# Allegro board ZC7020-PCB.brd (continued)
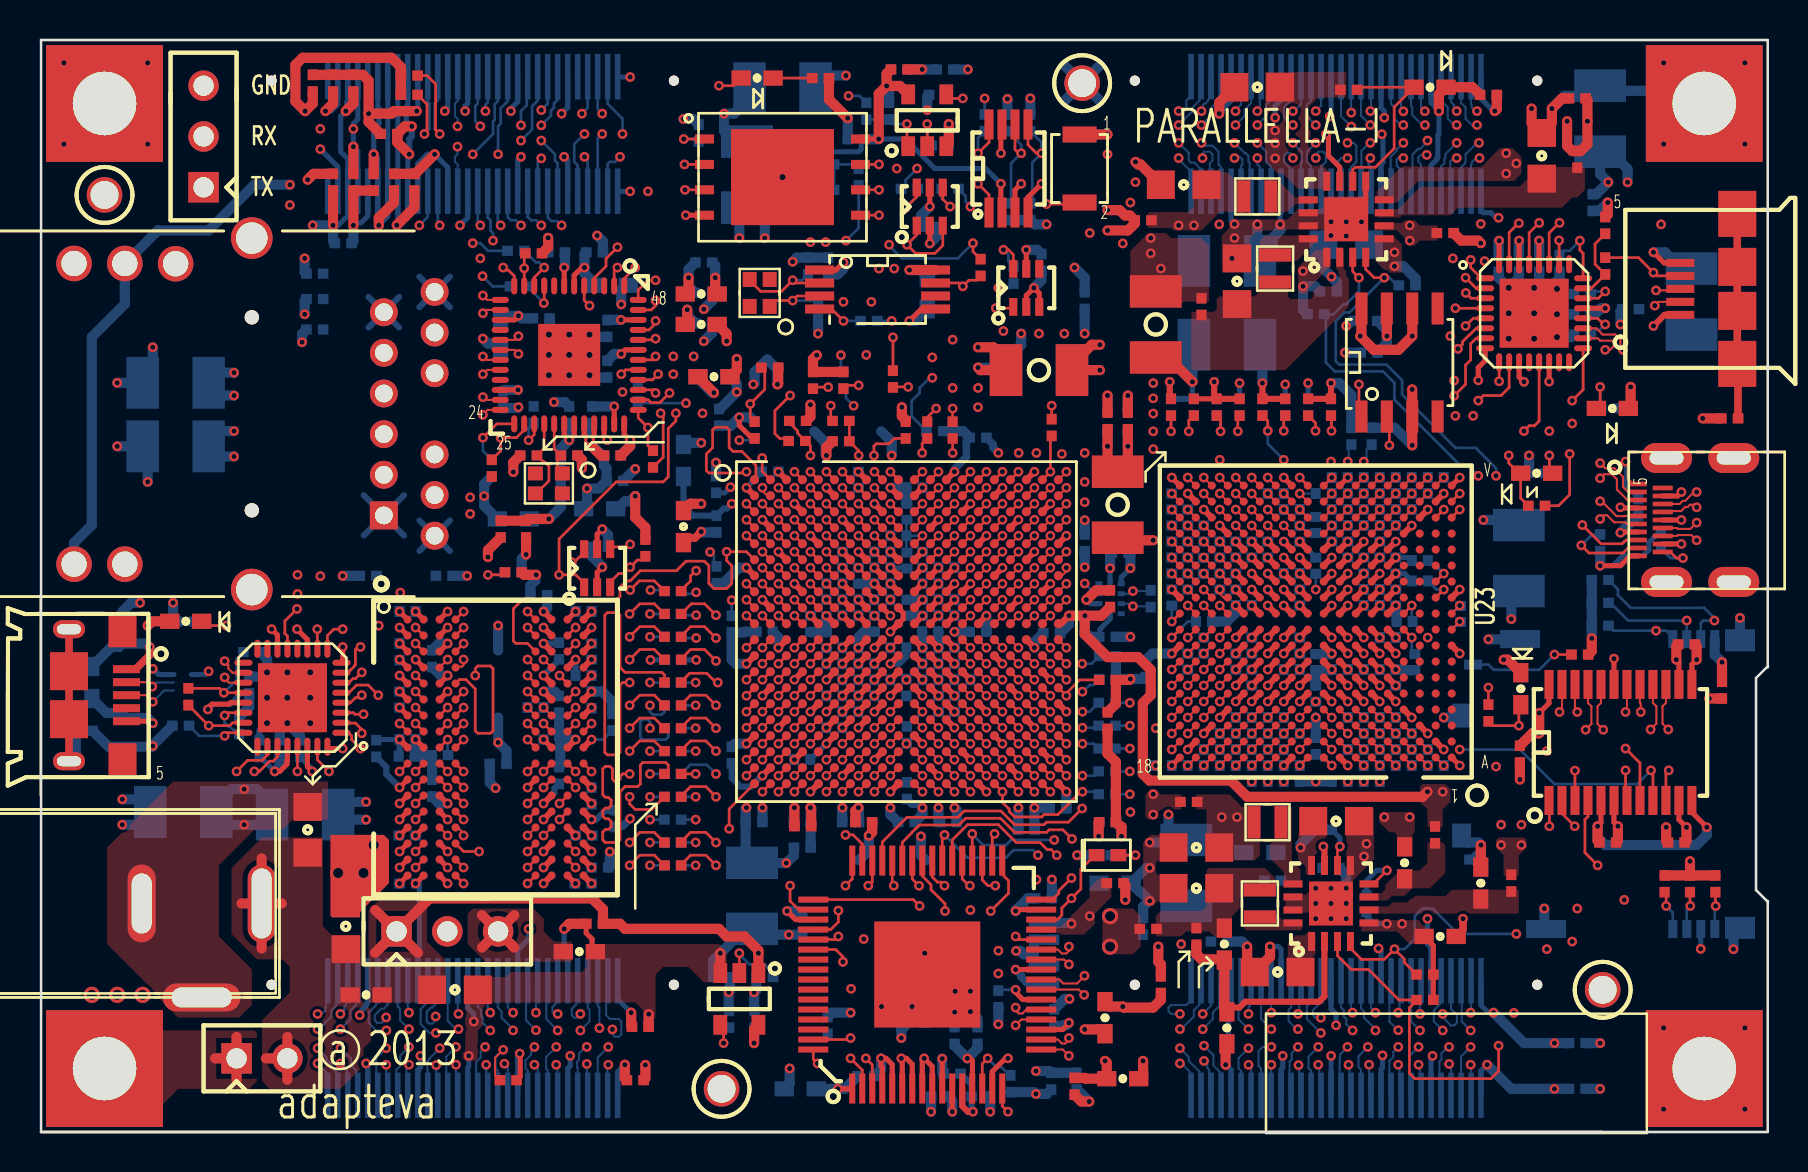
[diagram p0: board, top side]
## Nets (continued)
RXI_EA_DATA5_P: R185.1 U2.F19(IO_L15P_T2_DQS_AD12P_35) U23.P17(RXI_EA_DATA_P5)
RXI_EA_DATA6_N: R186.2 U2.G18(IO_L16N_T2_35) U23.M16(RXI_EA_DATA_N6)
RXI_EA_DATA6_P: R186.1 U2.G17(IO_L16P_T2_35) U23.N16(RXI_EA_DATA_P6)
RXI_EA_DATA7_N: R187.2 U2.G20(IO_L18N_T2_AD13N_35) U23.L15(RXI_EA_DATA_N7)
RXI_EA_DATA7_P: R187.1 U2.G19(IO_L18P_T2_AD13P_35) U23.M15(RXI_EA_DATA_P7)
RXI_EA_FRAME_N: R188.2 U2.G15(IO_L19N_T3_VREF_35) U23.L17(RXI_EA_FRAME_N)
RXI_EA_FRAME_P: R188.1 U2.H15(IO_L19P_T3_35) U23.M17(RXI_EA_FRAME_P)
RXI_EA_LCLK_N: R189.2 U2.F17(IO_L6N_T0_VREF_35) U23.M18(RXI_EA_LCLK_N)
RXI_EA_LCLK_P: R189.1 U2.F16(IO_L6P_T0_35) U23.N18(RXI_EA_LCLK_P)
RXI_NO_DATA0_N: J8.3(03) R194.2 U23.A2(RXI_NO_DATA_N0)
RXI_NO_DATA0_P: J8.5(05) R194.1 U23.A3(RXI_NO_DATA_P0)
RXI_NO_DATA1_N: J8.4(04) R195.2 U23.B3(RXI_NO_DATA_N1)
RXI_NO_DATA1_P: J8.6(06) R195.1 U23.B4(RXI_NO_DATA_P1)
RXI_NO_DATA2_N: J8.7(07) R196.2 U23.C4(RXI_NO_DATA_N2)
RXI_NO_DATA2_P: J8.9(09) R196.1 U23.C5(RXI_NO_DATA_P2)
RXI_NO_DATA3_N: J8.8(08) R197.2 U23.D5(RXI_NO_DATA_N3)
RXI_NO_DATA3_P: J8.10 R197.1 U23.D6(RXI_NO_DATA_P3)
RXI_NO_DATA4_N: J8.13 R198.2 U23.A4(RXI_NO_DATA_N4)
RXI_NO_DATA4_P: J8.15 R198.1 U23.A5(RXI_NO_DATA_P4)
RXI_NO_DATA5_N: J8.14 R199.2 U23.B5(RXI_NO_DATA_N5)
RXI_NO_DATA5_P: J8.16 R199.1 U23.B6(RXI_NO_DATA_P5)
RXI_NO_DATA6_N: J8.17 R200.2 U23.C6(RXI_NO_DATA_N6)
RXI_NO_DATA6_P: J8.19 R200.1 U23.C7(RXI_NO_DATA_P6)
RXI_NO_DATA7_N: J8.18 R201.2 U23.D7(RXI_NO_DATA_N7)
RXI_NO_DATA7_P: J8.20 R201.1 U23.D8(RXI_NO_DATA_P7)
RXI_NO_FRAME_N: J8.24 R202.2 R242.2 U23.B7(RXI_NO_FRAME_N)
RXI_NO_FRAME_P: J8.26 R202.1 R243.2 U23.B8(RXI_NO_FRAME_P)
RXI_NO_LCLK_N: J8.23 R203.2 U23.A6(RXI_NO_LCLK_N)
RXI_NO_LCLK_P: J8.25 R203.1 U23.A7(RXI_NO_LCLK_P)
RXI_SO_DATA0_N: J9.3(03) R207.2 U23.V3(RXI_SO_DATA_N0)
RXI_SO_DATA0_P: J9.5(05) R207.1 U23.V2(RXI_SO_DATA_P0)
RXI_SO_DATA1_N: J9.4(04) R208.2 U23.U4(RXI_SO_DATA_N1)
RXI_SO_DATA1_P: J9.6(06) R208.1 U23.U3(RXI_SO_DATA_P1)
RXI_SO_DATA2_N: J9.7(07) R209.2 U23.T5(RXI_SO_DATA_N2)
RXI_SO_DATA2_P: J9.9(09) R209.1 U23.T4(RXI_SO_DATA_P2)
RXI_SO_DATA3_N: J9.8(08) R210.2 U23.R6(RXI_SO_DATA_N3)
RXI_SO_DATA3_P: J9.10 R210.1 U23.R5(RXI_SO_DATA_P3)
RXI_SO_DATA4_N: J9.13 R211.2 U23.V5(RXI_SO_DATA_N4)
RXI_SO_DATA4_P: J9.15 R211.1 U23.V4(RXI_SO_DATA_P4)
RXI_SO_DATA5_N: J9.14 R212.2 U23.U6(RXI_SO_DATA_N5)
RXI_SO_DATA5_P: J9.16 R212.1 U23.U5(RXI_SO_DATA_P5)
RXI_SO_DATA6_N: J9.17 R213.2 U23.T7(RXI_SO_DATA_N6)
RXI_SO_DATA6_P: J9.19 R213.1 U23.T6(RXI_SO_DATA_P6)
RXI_SO_DATA7_N: J9.18 R214.2 U23.R8(RXI_SO_DATA_N7)
RXI_SO_DATA7_P: J9.20 R214.1 U23.R7(RXI_SO_DATA_P7)
RXI_SO_FRAME_N: J9.24 R215.2 R247.2 U23.U8(RXI_SO_FRAME_N)
RXI_SO_FRAME_P: J9.26 R215.1 R246.2 U23.U7(RXI_SO_FRAME_P)
RXI_SO_LCLK_N: J9.23 R216.2 U23.V7(RXI_SO_LCLK_N)
RXI_SO_LCLK_P: J9.25 R216.1 U23.V6(RXI_SO_LCLK_P)
RXO_EA_RD_WAIT: U2.J15(IO_25_34) U38.8(R)
RXO_EA_RD_WAIT_N: R193.2 U23.J17(RXO_EA_RD_WAIT_N) U38.3(B)
RXO_EA_RD_WAIT_P: R193.1 U23.K17(RXO_EA_RD_WAIT_P) U38.2(A)
RXO_EA_WR_WAIT_N: U2.H18(IO_L14N_T2_AD4N_SRCC_35) U23.K16(RXO_EA_WR_WAIT_N)
RXO_EA_WR_WAIT_P: U2.J18(IO_L14P_T2_AD4P_SRCC_35) U23.L16(RXO_EA_WR_WAIT_P)
RXO_NO_RD_WAIT_N: J8.27 U23.B9(RXO_NO_RD_WAIT_N)
RXO_NO_RD_WAIT_P: J8.29 U23.B10(RXO_NO_RD_WAIT_P)
RXO_NO_WR_WAIT_N: J8.28 U23.C8(RXO_NO_WR_WAIT_N)
RXO_NO_WR_WAIT_P: J8.30 U23.C9(RXO_NO_WR_WAIT_P)
RXO_SO_RD_WAIT_N: J9.27 R234.2 U23.U10(RXO_SO_RD_WAIT_N)
RXO_SO_RD_WAIT_P: J9.29 R234.1 U23.U9(RXO_SO_RD_WAIT_P)
RXO_SO_WR_WAIT_N: J9.28 R235.2 U23.T9(RXO_SO_WR_WAIT_N)
RXO_SO_WR_WAIT_P: J9.30 R235.1 U23.T8(RXO_SO_WR_WAIT_P)
SD_CLK: J3.5(CLK) R32.2 R33.1
SD_CMD: J3.3(CMD) R39.1 U2.C6(PS_MIO11)
SD_DAT0: J3.7(DAT0) R37.1 U2.E9(PS_MIO10)
SD_DAT1: J3.8(DAT1) R36.1 U2.E8(PS_MIO13)
SD_DAT2: J3.1(DAT2) R35.1 U2.C5(PS_MIO14)
SD_DAT3: J3.2(CD_DAT3) R34.1 U2.C8(PS_MIO15)
SD_DETECT: J3.10(DETECT) R38.1 U2.E6(PS_MIO0)
SPDIF: J13.27 R82.2 U26.3(SPDIF)
SYS_5P0V: C52.1 C59.1 C241.1 C247.1 C253.1 C254.1 C258.1 C274.1 C279.1 J13.1(01) J13.2(02) J14.2 R276.2 R277.2 R280.2 R283.2 R284.1 R285.1 R288.2 TP15.1 U12.21(VBAT) U13.7(IN) U29.1(VINDCD1) U29.5(VINLDO) U29.12(VINDCD2) U30.1(VINDCD1) U30.5(VINLDO1) U30.8(VINLDO2) U30.12(VINDCD2) U37.11(VCC_5V)
TURBO_MODE: J13.25 R328.2 U2.R16(IO_L19P_T3_34) U36.4(Y)
TXI_EA_RD_WAIT_N: R190.2 U2.J14(IO_L20N_T3_AD6N_35) U23.G17(TXI_EA_RD_WAIT_N)
TXI_EA_RD_WAIT_P: R190.1 U2.K14(IO_L20P_T3_AD6P_35) U23.H17(TXI_EA_RD_WAIT_P)
TXI_EA_WR_WAIT_N: R191.2 U2.J16(IO_L24N_T3_AD15N_35) U23.H16(TXI_EA_WR_WAIT_N)
TXI_EA_WR_WAIT_P: R191.1 U2.K16(IO_L24P_T3_AD15P_35) U23.J16(TXI_EA_WR_WAIT_P)
TXI_NO_RD_WAIT_N: J8.38 R204.2 R240.1 U23.B11(TXI_NO_RD_WAIT_N)
TXI_NO_RD_WAIT_P: J8.40 R204.1 R241.1 U23.B12(TXI_NO_RD_WAIT_P)
TXI_NO_WR_WAIT_N: J8.34 R205.2 U23.C10(TXI_NO_WR_WAIT_N)
TXI_NO_WR_WAIT_P: J8.36 R205.1 U23.C11(TXI_NO_WR_WAIT_P)
TXI_SO_RD_WAIT_N: J9.38 R217.2 U23.U12(TXI_SO_RD_WAIT_N)
TXI_SO_RD_WAIT_P: J9.40 R217.1 U23.U11(TXI_SO_RD_WAIT_P)
TXI_SO_WR_WAIT_N: J9.34 R218.2 U23.T11(TXI_SO_WR_WAIT_N)
TXI_SO_WR_WAIT_P: J9.36 R218.1 U23.T10(TXI_SO_WR_WAIT_P)
TXO_EA_DATA0_N: U2.J19(IO_L10N_T1_AD11N_35) U23.G15(TXO_EA_DATA_N0)
TXO_EA_DATA0_P: U2.K19(IO_L10P_T1_AD11P_35) U23.H15(TXO_EA_DATA_P0)
TXO_EA_DATA1_N: U2.L15(IO_L22N_T3_AD7N_35) U23.F16(TXO_EA_DATA_N1)
TXO_EA_DATA1_P: U2.L14(IO_L22P_T3_AD7P_35) U23.G16(TXO_EA_DATA_P1)
TXO_EA_DATA2_N: U2.L17(IO_L11N_T1_SRCC_35) U23.E17(TXO_EA_DATA_N2)
TXO_EA_DATA2_P: U2.L16(IO_L11P_T1_SRCC_35) U23.F17(TXO_EA_DATA_P2)
TXO_EA_DATA3_N: U2.M15(IO_L23N_T3_35) U23.D18(TXO_EA_DATA_N3)
TXO_EA_DATA3_P: U2.M14(IO_L23P_T3_35) U23.E18(TXO_EA_DATA_P3)
TXO_EA_DATA4_N: U2.L20(IO_L9N_T1_DQS_AD3N_35) U23.E15(TXO_EA_DATA_N4)
TXO_EA_DATA4_P: U2.L19(IO_L9P_T1_DQS_AD3P_35) U23.F15(TXO_EA_DATA_P4)
TXO_EA_DATA5_N: U2.M20(IO_L7N_T1_AD2N_35) U23.D16(TXO_EA_DATA_N5)
TXO_EA_DATA5_P: U2.M19(IO_L7P_T1_AD2P_35) U23.E16(TXO_EA_DATA_P5)
TXO_EA_DATA6_N: U2.M18(IO_L8N_T1_AD10N_35) U23.C17(TXO_EA_DATA_N6)
TXO_EA_DATA6_P: U2.M17(IO_L8P_T1_AD10P_35) U23.D17(TXO_EA_DATA_P6)
TXO_EA_DATA7_N: U2.N16(IO_L21N_T3_DQS_AD14N_35) U23.B18(TXO_EA_DATA_N7)
TXO_EA_DATA7_P: U2.N15(IO_L21P_T3_DQS_AD14P_35) U23.C18(TXO_EA_DATA_P7)
TXO_EA_FRAME_N: U2.H20(IO_L17N_T2_AD5N_35) U23.J15(TXO_EA_FRAME_N)
TXO_EA_FRAME_P: U2.J20(IO_L17P_T2_AD5P_35) U23.K15(TXO_EA_FRAME_P)
TXO_EA_LCLK_N: U2.K18(IO_L12N_T1_MRCC_35) U23.F18(TXO_EA_LCLK_N)
TXO_EA_LCLK_P: U2.K17(IO_L12P_T1_MRCC_35) U23.G18(TXO_EA_LCLK_P)
TXO_NO_DATA0_N: J8.43 R233.2 U23.D11(TXO_NO_DATA_N0)
TXO_NO_DATA0_P: J8.45 R233.1 U23.D12(TXO_NO_DATA_P0)
TXO_NO_DATA1_N: J8.44 R232.2 U23.C12(TXO_NO_DATA_N1)
TXO_NO_DATA1_P: J8.46 R232.1 U23.C13(TXO_NO_DATA_P1)
TXO_NO_DATA2_N: J8.47 R231.2 U23.B13(TXO_NO_DATA_N2)
TXO_NO_DATA2_P: J8.49 R231.1 U23.B14(TXO_NO_DATA_P2)
TXO_NO_DATA3_N: J8.48 R230.2 U23.A14(TXO_NO_DATA_N3)
TXO_NO_DATA3_P: J8.50 R230.1 U23.A15(TXO_NO_DATA_P3)
TXO_NO_DATA4_N: J8.53 R229.2 U23.D13(TXO_NO_DATA_N4)
TXO_NO_DATA4_P: J8.55 R229.1 U23.D14(TXO_NO_DATA_P4)
TXO_NO_DATA5_N: J8.54 R228.2 U23.C14(TXO_NO_DATA_N5)
TXO_NO_DATA5_P: J8.56 R228.1 U23.C15(TXO_NO_DATA_P5)
TXO_NO_DATA6_N: J8.57 R227.2 U23.B15(TXO_NO_DATA_N6)
TXO_NO_DATA6_P: J8.59 R227.1 U23.B16(TXO_NO_DATA_P6)
TXO_NO_DATA7_N: J8.58 R226.2 U23.A16(TXO_NO_DATA_N7)
TXO_NO_DATA7_P: J8.60 R226.1 U23.A17(TXO_NO_DATA_P7)
TXO_NO_FRAME_N: J8.33 U23.D9(TXO_NO_FRAME_N)
TXO_NO_FRAME_P: J8.35 U23.D10(TXO_NO_FRAME_P)
TXO_NO_LCLK_N: J8.37 R206.2 U23.A12(TXO_NO_LCLK_N)
TXO_NO_LCLK_P: J8.39 R206.1 U23.A13(TXO_NO_LCLK_P)
TXO_SO_DATA0_N: J9.43 U23.R12(TXO_SO_DATA_N0)
TXO_SO_DATA0_P: J9.45 U23.R11(TXO_SO_DATA_P0)
TXO_SO_DATA1_N: J9.44 U23.T13(TXO_SO_DATA_N1)
TXO_SO_DATA1_P: J9.46 U23.T12(TXO_SO_DATA_P1)
TXO_SO_DATA2_N: J9.47 U23.U14(TXO_SO_DATA_N2)
TXO_SO_DATA2_P: J9.49 U23.U13(TXO_SO_DATA_P2)
TXO_SO_DATA3_N: J9.48 U23.V15(TXO_SO_DATA_N3)
TXO_SO_DATA3_P: J9.50 U23.V14(TXO_SO_DATA_P3)
TXO_SO_DATA4_N: J9.53 U23.R14(TXO_SO_DATA_N4)
TXO_SO_DATA4_P: J9.55 U23.R13(TXO_SO_DATA_P4)
TXO_SO_DATA5_N: J9.54 U23.T15(TXO_SO_DATA_N5)
TXO_SO_DATA5_P: J9.56 U23.T14(TXO_SO_DATA_P5)
TXO_SO_DATA6_N: J9.57 U23.U16(TXO_SO_DATA_N6)
TXO_SO_DATA6_P: J9.59 U23.U15(TXO_SO_DATA_P6)
TXO_SO_DATA7_N: J9.58 U23.V17(TXO_SO_DATA_N7)
TXO_SO_DATA7_P: J9.60 U23.V16(TXO_SO_DATA_P7)
TXO_SO_FRAME_N: J9.33 R236.2 R244.1 U23.R10(TXO_SO_FRAME_N)
TXO_SO_FRAME_P: J9.35 R236.1 R245.1 U23.R9(TXO_SO_FRAME_P)
TXO_SO_LCLK_N: J9.37 U23.V13(TXO_SO_LCLK_N)
TXO_SO_LCLK_P: J9.39 U23.V12(TXO_SO_LCLK_P)
UART_RX: J2.2 J13.24 R40.2 U5.3(A2)
UART_TX: J2.1 J13.26 U5.6(Y1)
USB_VBUS: C63.1 C68.1 C287.1 J7.1(VBUS) J14.3 R100.2 R103.2 U17.21(VBAT)
USER_LED: CR10.2(A) J13.28 R334.2
VADC_N: J13.33 R80.2 U2.L10(VN_0)
VADC_P: J13.34 R81.2 U2.K9(VP_0)
VMODE_1: R43.2 R75.1 U2.D5(PS_MIO8)
ZYNQ_VCCPLL: C172.1 C307.1 FB12.2 U2.G8(VCCPLL)
N20734701: R4.1 U2.R10(INIT_B_0)
N20734785: R3.1 U2.R11(DONE_0)
N20734865: C16.1 FB2.2 U2.J10(GNDADC_0) U2.K10(VREFN_0) U2.L9(VREFP_0)
N20879833: R32.1 U2.D9(PS_MIO12)
N20899839: R296.1 U2.F14(PS_MIO21)
N20899988: R60.1 U2.C10(PS_MIO52)
N20900114: R59.1 U2.A19(PS_MIO16)
N20927995: C25.1 C26.1 C27.1 C28.1 FB3.1 J5.1(TRCT3) J5.6(TRCT2) J5.7(TRCT4) J5.12(TRCT1)
N20937479: R71.2 U9.40(RX_CLK)
N21001971: R77.1 U9.27(HSDAC_P)
N21002298: R78.1 U9.26(HSDAC_N)
N21089768: C57.1 U12.20(VDD33)
N21090019: R85.1 R116.1 U12.23(ID)
N21090233: CR5.2(A) R89.2
N21090237: R86.1 U12.22(VBUS)
N21090239: C260.1 J6.6(SHLD1) J6.7(SHLD2) J6.8(SHLD3) J6.9(SHLD4)
N21090289: R90.1 U12.24(RBIAS)
N21123442: C261.1 J7.6(SHLD1) J7.7(SHLD2) J7.8(SHLD3) J7.9(SHLD4)
N21123446: C66.1 R101.2 U17.20(VDD33)
N21123707: R101.1 U17.23(ID)
N21123919: R103.1 U17.22(VBUS)
N21123971: R106.1 U17.24(RBIAS)
N21274148: R112.1 U2.G5(PS_DDR_VRN)
N21274157: R113.1 U2.H5(PS_DDR_VRP)
N21305139: C95.1 C96.2 R69.2 R70.1 U20.J1(VREFDQ) U20.J12(VREFCA)
N21307938: R119.1 U20.J3(ZQ0)
N21356725: R120.1 U20.J10(ZQ1)
N22414199: D1.2(ANODE) R225.2
N22934179: L8.1 U29.16(SW1)
N22934548: C242.2 R278.2 R279.1 U29.2(FB1)
N22939905: C242.1 C243.1 L8.2 R278.1 R286.1
N22955654: C248.1 L11.2 R330.1 U30.2(FB1)
N22955725: C250.1 L10.2 R331.1 U30.11(FB2)
N22955745: L10.1 U30.13(SW2)
N22955797: L11.1 U30.16(SW1)
N22979034: C251.1 R293.1 U29.6(VOLDO1)
N22979674: C252.1 R329.1 U29.7(VOLDO2)
N23028604: C255.1 R332.1 U30.6(VOLDO1)
N23029208: C256.1 R333.1 U30.7(VOLDO2)
N23098459: CR8.2(A) R288.1 U30.10(DCDPG)
N23150334: R289.2 U23.A10(RXI_NO_CCLK_P)
N23150336: R290.2 U23.A9(RXI_NO_CCLK_N)
N23155371: R291.2 U23.V9(RXI_SO_CCLK_P)
N23155373: R292.2 U23.V10(RXI_SO_CCLK_N)
N23204370: J15.1 PTH1.1
N23524236: U2.B5(PS_MIO9) U5.4(Y2)
N23533198: R297.2 U9.37(RX_CTRL)
N23584454: R8.1 U2.L6(PROG_B_0)
N23601474: R294.1 U33.2(A)
N23613650: R298.2 R301.2 U34.5(V3IN)
N23614416: R299.2 R300.1 U34.6(V4IN)
N23881678: R224.1 U26.14(R_EXT)
N23924961: C196.1 C257.1 C262.1 FB16.1 U26.29(DVDD_3V)
N23961346: R82.1 U2.Y16(IO_L7P_T1_34)
N23963188: R94.1 U2.Y17(IO_L7N_T1_34)
N23969750: R42.1 U2.V17(IO_L21P_T3_DQS_34)
N23971584: R44.1 U2.T17(IO_L20P_T3_34)
N23973428: R41.1 U2.R17(IO_L19N_T3_VREF_34)
N24967627: CR6.2(A) R100.1
N24971917: CR4.2(A) R84.1
N25055901: C54.1 U35.3(XIN) Y1.1
N25055972: C61.1 U35.2(XOUT) Y1.3
N25073534: R55.1 U35.7(SSCLK3)
N25073620: R56.1 U35.4(REFCLK)
N25086531: R99.1 U11.6(Y1)
N25086552: R110.1 U11.4(Y2)
N25088109: R114.1 U14.6(Y1)
N25161882: R96.1 U34.8(RST_L)
N25176046: R327.1 U36.2(A)
N25262962: R237.1 U26.22(PD)
N25329408: R219.2 U23.L2(RXI_WE_FRAME_P)
N25329410: R220.2 U23.M2(RXI_WE_FRAME_N)
N25337074: CR1.1(C) R1.2
N25352411: CR10.1(C) R30.1
N25693741: R75.2 U5.1(A1)
N25830704: C244.2 R281.1 R282.2 U29.11(FB2)
N25830712: C244.1 C245.1 L9.2 R282.1 R287.1
N25830793: L9.1 U29.13(SW2)
N26009321: R221.2 U23.K18(RXI_EA_CCLK_P)
N26009323: R222.2 U23.J18(RXI_EA_CCLK_N)
N26021053: R238.1 U23.J4(TXO_WE_FRAME_P)
N26025511: R239.1 U23.K4(TXO_WE_FRAME_N)

Pads without a net: J5 15; J7 4; J10 2; J13 10; R77 2; R78 2; U2 V5; U9 3 8 16 21; U12 12 15 16 25; U13 4 5; U14 4; U17 12 15 16 17 25; U20 G2 H11 H12; U23 B1 C1 C2 D1 D2 D3 E1 E2 E3 E4 F1 F2 F3 F4 G1 G2 G3 G4 H2 H3 H4 J2 J3 K2 K3 L3 L4 M1 M3 M4 N1 N2 N3 N4 P1 P2 P3 P4 R1 R2 R3 T1 T2 U1; U26 55 56 57 58 59 60 61 62; U35 6; U38 4 6 9; Y1 2 4; Y2 2 4

## Via types
v1: diameter 0.483, hole 0.254, TOP to BOTTOM, 1809 vias
v2: diameter 0.813, hole 0.508, TOP to BOTTOM, 8 vias
v3: diameter 0.61, hole 0.305, TOP to BOTTOM, 28 vias

## Routing (per net, layer and track width the routed paths; a pad name or vN(x,y) marks a point on that pad's centre or on a via; arc(x,y) is an arc through that point)
AVDD_18: length 25.7
  TOP w0.254: U9.15 23.72,40.61 v1(23.93,40.82) ; U9.22 v1(23.91,37.11) ; U9.33 27.72,34.83 v1(27.49,34.59) 27.22,34.86 U9.32
  TOP w0.508: v1(27.49,34.59) 27.49,34.4 28.06,33.83 C50.1
  L10_SIG w0.508: v1(27.36,32.18) 27.87,32.69 27.87,33.71 27.49,34.09 v1(27.49,34.59) 27.49,34.85 26.85,35.48 25.2,35.48 24.82,35.86 24.82,36.63 24.33,37.11 v1(23.91,37.11) 23.7,37.11 23.17,37.64 23.17,40.58 23.4,40.82 v1(23.93,40.82)
  BOTTOM w0.508: C46.1 23.23,37.11 v1(23.91,37.11) ; C44.1 27.49,35.32 v1(27.49,34.59) 27.49,34.47 28.12,33.83 C50.1 28.21,33.32 28.34,33.2 FB7.1 27.95,32.18 v1(27.36,32.18) 27.36,31.33 C49.1 ; C47.1 24.06,40.69 v1(23.93,40.82) 23.26,40.82 C48.1
AVDDC_18: length 10.5
  TOP w0.254: U9.31 26.72,34.84 v1(26.47,34.59) 26.22,34.84 U9.30
  TOP w0.508: FB5.1 C39.1 24.4,30.66 v1(25.45,30.66)
  BOTTOM w0.508: C37.1 v1(26.47,34.59) 26.05,34.18 C36.1 26.05,31.25 v1(25.45,30.66) C38.1
GND: length 538.8
  TOP w0.254: v1(34.98,35.74) 34.98,35.33 35.52,34.79 35.64,34.79 R47.2 ; U20.T3 19.99,13.63 v1(20.39,13.23) ; U26.6 43.13,3.64 v1(43.08,3.68) 43.33,3.68 43.63,3.39 U26.7 ; U34.7 48.06,50.33 v1(48.06,48.95) ; U2.U16 v1(48.14,19.42) ; v1(5.64,20.45) 5.54,20.54 J7.5 ; J10.16 v1(82.1,29.41) ; U20.J2 19.19,19.23 v1(18.79,19.63) ; U20.U3 19.99,12.83 v1(20.39,12.43) ; v1(82.1,32) 81.9,31.81 J10.4 ; U20.N1 v1(17.99,15.63) ; U20.R3 v1(20.39,14.03) ; U23.A18 v1(56.61,18.33) ; U23.V11 v1(62.21,32.73) ; U14.2 49.33,41.83 v1(49.71,42.21) 49.98,41.95 U14.3 ; U9.35 v1(28.72,36.28) ; U20.E1 v1(17.99,22.83) ; v1(26.79,12.43) 26.39,12.83 U20.U11 ; U20.B3 v1(20.39,25.23) ; U11.2 v1(44.5,44.44) ; U20.D1 v1(17.99,23.63) ; U23.A1 v1(71.01,18.33) ; U26.4 42.13,3.24 42.06,3.3 v1(42.06,3.68) 42.32,3.68 42.63,3.38 U26.5 ; U20.A11 v1(26.79,26.03) ; v1(29.52,34.59) 29.22,34.89 U9.36 ; U26.9 44.63,3.28 v1(44.22,3.68) 44.13,3.59 U26.8 ; J6.5 81.23,43.46 v1(80.7,43.99) ; R273.2 27.32,9.94 27.61,9.65 27.61,9.18 C287.2 ; U5.2 27.87,27.99 v1(28.12,28.24) ; U23.V18 v1(56.61,32.73) ; U20.C3 v1(20.39,24.43) ; v1(23.99,3.92) 24.02,3.9 24.02,2.77 R223.1 ; U20.M1 v1(17.99,16.43) ; U20.U2 v1(18.79,12.43) ; U23.V1 v1(71.01,32.73) ; U20.A3 v1(20.39,26.03) ; U20.F1 v1(17.99,22.03) ; U23.V8 v1(65.41,32.73) ; U20.A2 v1(18.79,26.03) ; U26.10 v1(45.13,3.67) ; J10.13 79.08,30.01 v1(79.05,29.97) ; U7.4 v1(32.3,45.85) ; v1(79.05,31.24) 79.08,31.21 J10.7 ; v1(81.84,23.62) 81.97,23.49 U37.14 ; U35.5 44.08,41.16 v1(43.49,40.56) ; U34.4 49.42,46.75 v1(50.09,47.42) ; U20.P1 v1(17.99,14.83) ; U2.N8 v1(40.93,22.62) ; U30.9 66.31,46.62 ; v1(78.92,15.29) 78.72,15.49 U37.6 ; U37.19 v1(78.72,23.67) ; v1(82.1,30.61) J10.10
  TOP w0.305: U2.R20 v1(51.34,21.02) ; U23.G6 v1(67.01,23.13) ; U23.D15 v1(59.01,20.73) ; U23.H9 v1(64.61,23.93) ; U20.U10 v1(25.19,12.43) ; U23.M11 v1(62.21,27.93) ; U2.K7 v1(40.13,25.82) ; U23.J12 v1(61.41,24.73) ; U23.J14 v1(59.81,24.73) ; U20.E12 v1(27.59,22.83) ; U23.T3 v1(69.41,31.13) ; U2.P13 v1(45.74,21.82) ; U23.P11 v1(62.21,29.53) ; U23.T16 v1(58.21,31.13) ; U2.P17 v1(48.94,21.82) ; U23.D4 v1(68.61,20.73) ; U2.B11 v1(44.14,32.22) ; v1(27.59,14.83) U20.P12 ; U23.K11 v1(62.21,26.33) ; U20.C10 v1(25.19,24.43) ; U23.G10 v1(63.01,23.13) ; U2.M7 v1(40.13,23.42) ; U2.H9 v1(41.73,27.42) ; U23.L6 v1(67.01,27.13) ; U23.M9 v1(64.61,27.93) ; U23.N10 v1(63.01,28.73) ; U23.N12 v1(61.41,28.73) ; U23.J8 v1(65.41,24.73) ; U23.G12 v1(61.41,23.13) ; U2.T7 v1(40.13,20.22) ; U23.F13 v1(60.61,22.33) ; U2.N4 v1(37.73,22.62) ; U23.P9 v1(64.61,29.53) ; U23.H11 v1(62.21,23.93) ; U2.G10 v1(42.53,28.22) ; U23.G14 v1(59.81,23.13) ; U20.T10 v1(25.19,13.23) ; U2.B1 v1(35.33,32.22) ; U2.M13 v1(45.74,23.42) ; U2.C14 v1(46.54,31.42) ; U2.F3 v1(36.93,29.02) ; U23.J6 v1(67.01,24.73) ; U23.C16 v1(58.21,19.93) ; U23.B2 v1(70.21,19.13) ; U2.R12 v1(44.94,21.02) ; U2.N12 v1(44.94,22.62) ; U2.E20 v1(51.34,29.82) ; U2.K15 v1(47.34,25.82) ; U2.V19 v1(50.54,18.62) ; U23.H5 v1(67.81,23.93) ; U2.R8 v1(40.93,21.02) ; U2.J2 v1(36.13,26.62) ; U23.G8 v1(65.41,23.13) ; U20.A10 v1(25.19,26.03) ; U2.M1 v1(35.33,23.42) ; U23.L1 v1(71.01,27.13) ; U23.U2 v1(70.21,31.93) ; U2.P7 v1(40.13,21.82) ; U23.J10 v1(63.01,24.73) ; U2.C9 v1(41.73,31.42) ; U23.P5 v1(67.81,29.53) ; U2.F11 v1(44.14,29.02) ; U2.F10 v1(42.53,29.02) ; U2.V9 v1(41.73,18.62) ; U23.K13 v1(60.61,26.33) ; U23.H7 v1(66.21,23.93) ; U20.D12 v1(27.59,23.63) ; U2.K11 v1(44.14,25.82) ; U2.K5 v1(38.53,25.82) ; U2.L8 v1(40.93,24.22) ; U23.N8 v1(65.41,28.73) ; U2.H19 v1(50.54,27.42) ; U23.U17 v1(57.41,31.93) ; U2.D17 v1(48.94,30.62) ; U20.F12 v1(27.59,22.03) ; U2.J12 v1(44.94,26.62) ; U23.H18 v1(56.61,23.93) ; U23.E6 v1(67.01,21.53) ; U2.T13 v1(45.74,20.22) ; U20.M12 v1(27.59,16.43) ; U20.N12 v1(27.59,15.63) ; U2.Y15 v1(47.34,17.02) ; U23.R15 v1(59.01,30.33) ; U23.M13 v1(60.61,27.93) ; U2.H7 v1(40.13,27.42) ; U2.W12 v1(44.94,17.82) ; U23.A11 v1(62.21,18.33) ; U23.H1 v1(71.01,23.93) ; U2.N14 v1(46.54,22.62) ; U23.K7 v1(66.21,26.33) ; U2.U6 v1(39.33,19.42) ; U23.M5 v1(67.81,27.93) ; U2.W2 v1(36.13,17.82) ; U23.E13 v1(60.61,21.53) ; U2.P9 v1(41.73,21.82) ; U2.K13 v1(45.74,25.82) ; U2.M9 v1(41.73,23.42) ; U23.N14 v1(59.81,28.73) ; U2.L18 v1(49.74,24.22) ; U23.M7 v1(66.21,27.93) ; U20.B10 v1(25.19,25.23) ; U2.P11 v1(44.14,21.82) ; U23.N6 v1(67.01,28.73) ; U23.F6 v1(67.01,22.33) ; U23.L10 v1(63.01,27.13) ; U2.C4 v1(37.73,31.42) ; U23.H13 v1(60.61,23.93) ; U2.L12 v1(44.94,24.22) ; U2.M11 v1(44.14,23.42) ; U2.G16 v1(48.14,28.22) ; U2.A18 v1(49.74,33.02) ; U2.A8 v1(40.93,33.02) ; U23.P7 v1(66.21,29.53) ; U2.F7 v1(40.13,29.02) ; U23.R4 v1(68.61,30.33) ; U2.T3 v1(36.93,20.22) ; U23.P13 v1(60.61,29.53) ; U23.E14 v1(59.81,21.53) ; U23.F5 v1(67.81,22.33) ; U23.K9 v1(64.61,26.33) ; U23.A8 v1(65.41,18.33) ; U23.L8 v1(65.41,27.13) ; U23.L14 v1(59.81,27.13) ; U23.F14 v1(59.81,22.33) ; U2.E10 v1(42.53,29.82) ; U2.N10 v1(42.53,22.62) ; U2.G12 v1(44.94,28.22) ; U23.B17 v1(57.41,19.13) ; U2.M10 v1(42.53,23.42) ; U2.H13 v1(45.74,27.42) ; U2.Y5 v1(38.53,17.02) ; U23.L12 v1(61.41,27.13) ; U20.R10 v1(25.19,14.03) ; U20.J11 v1(26.79,19.63) ; U23.E5 v1(67.81,21.53) ; U23.C3 v1(69.41,19.93) ; U23.L18 v1(56.61,27.13) ; U2.J8 v1(40.93,26.62) ; U2.H11 v1(44.14,27.42) ; U23.K5 v1(67.81,26.33)
  TOP w0.381: C254.2 71.17,10.12 v1(71.17,10.67)
  TOP w0.508: v1(55.17,3.56) 55.17,2.88 C296.2 ; C269.2 30.28,2.68 v1(30.28,3.35) ; C295.2 C294.2 C293.2 16.14,52.87 16.44,52.58 v1(16.44,50.93) ; v1(40.93,16.22) 40.78,16.07 C190.2 ; C260.2 v1(83.16,35.69) ; v1(54.79,48.51) 54.92,48.39 55.04,48.39 C250.2 ; C239.2 78.92,14.57 v1(78.92,15.29) ; CR4.1 79.56,36.3 v1(79.56,37.26) ; v1(16.44,50.93) 16.44,50.51 C275.2 ; v1(16.44,50.93) 17.58,50.93 17.71,51.05 v1(18.84,51.05) ; v1(78.41,46.48) 78.41,45.89 R116.2 ; C126.2 13.68,47.92 v1(13.39,47.62) ; C172.2 34.85,38.11 v1(34.85,38.66) ; R50.1 R51.1 38.66,38.66 v1(38.85,38.85) ; CR6.1 5.6,25.54 v1(5.39,25.32) ; C188.2 76.13,51.69 v1(75.62,51.18) 75.62,50.47 C256.2 74.6,50.47 v1(74.6,51.18) ; U36.3 v1(34.03,8.94) ; C85.2 23.68,33.49 v1(23.68,33.01) ; C289.2 81.84,24.3 v1(81.84,23.62) ; C150.2 38.57,16.18 v1(38.53,16.22) ; R279.2 59.3,4.34 v1(59.3,3.37) ; v1(26.22,10.16) 26.47,10.41 R273.2 ; C251.2 72.06,14.34 v1(72.07,14.35) ; R74.2 25.41,44.25 v1(25.41,44.72) ; v1(58.98,50.93) 58.98,51.49 C247.2 ; v1(34.34,39.55) 34.34,39.92 C40.2 ; C132.2 53.39,18.92 53.81,18.5 C129.2 54.04,15.27 54.09,15.27 v1(54.09,14.78) ; v1(81.33,15.24) 81.33,14.57 C258.2 ; C50.2 29.52,34.3 v1(29.52,34.59) ; C268.2 v1(30.44,5.89) ; C218.2 56.31,38.71 56.45,38.71 v1(57.64,37.52) ; C138.2 v1(54.41,34.29) 54.41,33.53 C195.2 53.39,33.53 v1(53.39,34.29) C136.2 ; R40.1 30.28,30.23 29.77,30.73 v1(29.77,31.8) ; C235.2 53.51,6.27 v1(54.16,6.27) 54.21,6.22 54.21,6.22 55.67,6.22 56.06,6.61 C127.2 ; v1(68.63,37.13) U13.3 v1(68.63,34.34) ; v1(40.4,50.7) 39.46,51.64 R30.2 ; C259.1 v1(44.12,53.14) ; v1(46.92,38.23) 47.04,38.1 C214.2 48.31,38.61 47.68,39.24 v1(46.92,39.24) ; v1(60.38,9.27) 60.38,8.38 C241.2 61.52,8.76 v1(61.52,9.27) ; C39.2 v1(24.31,28.88) ; C189.2 v1(74.02,17.63) ; C11.1 v1(83.49,21.68) ; v1(27.1,33.2) 27.1,33.62 C62.2 ; v1(33.77,42.72) 33.77,42.01 C34.2 ; v1(39.33,33.83) 39.33,34.24 R45.1 ; U33.3 45.46,49.43 v1(45.46,50.41) ; v1(15.67,45.34) C292.2 C278.2 ; C297.1 52.82,27.09 52.35,26.62 v1(52.34,26.62) ; SW2.1 v1(53.39,49.88) ; v1(69.97,51.05) 69.97,51.89 CR8.1 71.64,52.25 C272.2 ; C276.2 C277.2 18.76,47.92 v1(19.74,48.9)
  BOTTOM w0.254: C109.2 18.98,12.27 18.98,9.08 18.89,9 J11.42 ; J11.51 16.39,3.34 v1(16.31,3.43) ; J9.51 59.57,45.57 v1(59.74,45.4) ; v1(61.52,9.27) 61.95,9.27 62.07,9.14 J8.42 ; v1(64.82,5.33) 64.82,5.91 64.57,6.16 64.57,7.56 J8.32 ; J13.22 23.89,51.53 23.55,51.18 v1(23.55,51.05) ; v1(26.22,10.16) 26.22,9.2 26.39,9.02 J11.12 ; J11.52 16.39,6.47 16.31,6.39 16.31,6.31 16.15,6.15 16.15,6.13 15.99,5.97 v1(15.99,5.84) ; R169.2 57.64,36.74 v1(57.64,37.52) ; v1(23.99,3.92) 23.99,3.81 23.89,3.71 J11.21 ; J9.31 64.57,45.52 v1(64.57,45.52) ; v1(21.69,5.52) 21.69,5.91 21.39,6.21 J11.32 ; J9.52 59.57,51.57 59.27,51.27 59.27,51.22 v1(58.98,50.93) ; v1(20.25,51.05) 20.39,51.2 J13.36 ; v1(24.06,48.77) 23.89,48.6 J13.21 ; v1(18.84,51.05) 18.89,51.1 J13.42 ; J8.51 59.57,3.11 59.32,3.37 v1(59.3,3.37) 59.3,4.68 59.45,4.83 59.45,5.78 59.57,5.91 J8.52 ; J9.11 69.57,48.35 69.69,48.46 69.69,48.46 69.86,48.63 69.86,48.69 69.92,48.74 69.92,49.85 69.97,49.9 v1(69.97,51.05) 69.79,51.23 69.79,51.26 69.57,51.48 J9.12 ; v1(19.03,3.81) 19.03,3.24 18.98,3.19 18.98,3.16 18.9,3.09 18.9,3.07 18.89,3.07 J11.41 ; J9.32 64.57,50.85 v1(64.51,50.79) ; R219.1 68.25,27.93 v1(67.81,27.93) ; v1(67.11,49.9) 67.17,49.83 67.17,48.51 67.07,48.41 J9.21 ; v1(64.57,3.81) 64.57,3.01 J8.31 ; J13.31 21.39,45.72 v1(21.01,45.34) ; v1(26.52,3.81) 26.52,3.3 26.39,3.18 J11.11 ; v1(62.03,45.39) 62.03,47 J9.41 ; J13.32 21.39,51.44 21.39,51.44 21.26,51.31 v1(21.26,51.05) ; J8.21 67.07,3.14 67.15,3.21 v1(67.15,3.83) ; J13.11 26.39,48.59 v1(26.22,48.77) ; v1(26.09,50.93) 26.39,51.23 J13.12 ; J8.41 62.07,3.12 62.16,3.2 v1(62.16,3.81) ; 7.58,22.88 8.28,22.88 v1(8.44,23.04) ; v1(62.28,37.39) R171.2 R170.2 ; v1(35.33,32.22) 36.1,32.98 C75.2 ; J9.42 62.07,51.6 61.78,51.31 v1(61.78,50.72) ; v1(15.67,45.34) 15.8,45.47 16.06,45.47 16.39,45.8 J13.51 ; v1(16.44,50.93) 16.39,50.97 J13.52 ; C78.2 34.25,31.97 v1(34.53,32.25) ; J8.11 69.57,3.73 v1(69.65,3.81) ; v1(24.44,10.16) 24.44,9.65 23.89,9.11 J11.22 ; v1(42.53,28.22) 43.32,28.22 C23.2 ; v1(66.95,9.18) 67.07,9.05 J8.22 ; v1(21.44,3.81) 21.44,3.27 21.39,3.22 J11.31 ; v1(63.43,37.45) R165.2 R167.2 ; J8.12 69.57,9.22 69.4,9.4 v1(69.4,10.67) ; J13.41 18.89,48.43 19.36,48.9 v1(19.74,48.9) 20.39,48.24 J13.35 ; R168.2 R166.2 v1(60,37.45) ; U38.1 54.08,27.74 v1(54.54,28.19) ; v1(39.33,19.42) 39.32,19.42 C76.2 ; J9.22 67.07,51.22 67.24,51.05 v1(67.24,50.72) ; J3.6 v1(83.06,9.16) ; v1(52.34,26.62) 52.54,26.42 U38.7 ; C80.2 v1(30.53,23.61)
  BOTTOM w0.305: C77.2 28.72,16.05 28.25,16.05 27.82,15.63 v1(27.59,15.63) ; C64.2 10.98,20.07 v3(11.36,20.45) ; v1(25.19,24.43) 25.92,24.43 C73.2 ; C72.2 34.6,17.7 35.03,17.27 35.56,17.27 36.11,17.82 v1(36.13,17.82) ; R80.1 43.33,23.77 42.98,23.42 v1(42.53,23.42) ; R169.2 R160.2 ; C104.2 v1(17.99,14.83)
  BOTTOM w0.381: C130.2 43.61,16.4 43.96,16.4 v1(44.14,16.22) ; v1(47.93,33.96) 47.68,34.21 47.68,34.38 C21.2
  BOTTOM w0.508: v1(60.38,9.27) 60.12,9.53 C284.2 ; C28.2 v1(15.14,27.81) ; C196.2 C262.2 49.71,8.89 ; v1(23.93,36.25) 23.89,36.21 C46.2 ; C51.2 79.05,41.06 v1(79.05,40.39) ; v1(65.33,40.31) 65.59,40.56 C279.2 ; C191.2 15.67,44.54 v1(15.67,45.34) ; C26.2 v1(21.36,27.81) ; v3(27.49,39.88) 27.6,39.76 C42.2 ; C142.2 v1(54.54,24.77) ; R79.2 22.21,32.4 v1(22.21,31.8) 22.21,31.32 C38.2 ; 49.71,8.89 C234.2 C144.2 ; 49.71,8.89 49.2,8.89 49.04,9.06 v1(48.82,9.06) ; C62.2 27.1,33.62 v1(27.1,33.2) ; R90.2 76,42.67 75.87,42.55 v3(75.87,42.16) ; v1(68.63,34.34) 67.76,35.22 R246.1 ; FB2.1 32.27,34.47 v1(33.07,34.47) ; C43.2 27.6,37.73 v3(27.49,37.85) ; C232.2 37.49,2.43 v1(37.49,3.17) ; v1(45.46,50.41) 45.46,49.35 R294.2 ; C60.2 72.95,42.72 v3(73.46,42.21) 73.97,42.72 C55.2 ; v1(18.79,19.63) 18.79,18.84 R70.2 19.18,18.8 19.23,18.85 R119.2 19.61,18.81 C79.2 ; C273.2 77.99,46.06 v1(78.41,46.48) ; v1(44.5,44.44) 44.92,44.86 C9.1 ; C57.2 76.6,39.75 v3(75.87,39.75) ; C155.2 v1(36.13,16.22) ; C50.2 29.52,34.3 v1(29.52,34.59) ; C140.2 v1(47.34,25.82) ; C84.2 82.1,43.18 81.28,43.99 v1(80.7,43.99) ; v1(60.89,45.39) 60.89,43.69 C168.2 61.65,44.2 61.65,44.7 62.03,45.09 v1(62.03,45.39) ; v1(5.64,39.24) 5.64,37.97 C17.2 v1(3.86,37.47) ; v1(27.87,44.83) 28.16,44.54 C32.2 ; C197.2 64.58,23.9 v1(64.61,23.93) ; C112.2 28.5,13.3 v1(28.5,14.02) ; v1(49.08,39.93) 49.08,39.37 48.82,39.12 48.82,38.61 C214.2 48.19,38.23 v1(46.92,38.23) ; J3.9 72.07,14.02 v1(72.07,14.35) 71.94,14.48 71.45,14.48 J3.GND6 ; v1(44.14,16.22) 44.14,15.88 C152.2 ; v3(75.87,40.89) C59.2 ; v1(64.57,45.52) v1(64.57,44.83) 64.57,44.75 C255.2 64.19,43.18 v1(64.59,42.77) 64.86,42.51 C274.2 ; v1(75.62,51.18) 76.25,51.82 77.52,51.82 C281.2 78.29,52.07 82.6,52.07 PTH3.1 ; v1(75.24,11.18) 75.24,10.24 J3.GND3 ; J3.GND2 84.7,9.88 v1(84.7,9.14) ; C288.1 35.71,6.08 v1(35.71,6.99) 35.83,7.1 R327.2 ; C63.2 3.32,20.95 4.03,20.95 4.28,20.7 5.39,20.7 v1(5.64,20.45) ; C54.2 v1(38.92,39.93) ; v1(49.74,24.22) 49.74,24.5 C137.2 ; C33.2 29.3,42.34 29.07,42.11 v1(29.07,41.39) ; C270.2 v1(78.03,2.16) ; C285.2 55.17,11.26 55.46,11.56 v1(55.5,11.56) 55.04,12.02 55,12.02 C257.2 55.34,13.21 v1(55.5,13.21) ; C290.2 v1(44.12,53.14) C259.1 ; C37.2 26.25,36.5 v1(25.71,36.5) ; C145.2 51.25,6.65 v1(51.49,6.65) ; C48.2 23.04,39.04 22.65,39.43 22.4,39.43 v1(22.15,39.67) ; C267.2 42.98,6.99 42.98,6.53 43.23,6.27 v1(43.61,6.27) ; v1(35.33,23.42) 34.8,23.42 34.6,23.62 R113.2 35.19,24.98 35.23,25.02 C74.2 ; v1(44.94,24.22) 44.94,25.01 C175.2 ; C151.2 v1(52.25,39.93) ; C265.2 45.13,3 v1(45.13,3.67) ; 38.72,35.04 39.3,34.47 39.3,33.87 v1(39.33,33.83) ; v1(43.49,40.56) 43.78,40.56 C53.2 ; C307.2 v1(41.73,27.42) ; v1(29.77,31.8) 29.52,31.55 29.26,31.55 28.88,31.17 C49.2 ; C65.2 11.99,20.07 v3(12.37,20.45) 13.01,19.81 C69.2 ; v1(79.05,29.97) 79.9,30.82 R24.2 ; R120.2 26.02,18.31 C110.2 ; R120.2 v1(26.79,19.63) ; R120.2 25.96,19.69 C107.2 ; C67.2 42.06,3.14 v1(42.06,3.68) ; v1(55.5,14.48) 57.2,14.48 C134.2 57.08,14.61 56.44,15.24 v1(56.44,15.88) ; R224.2 49.72,1.99 v1(49.81,1.91) 50.36,1.91 C233.2 ; C266.2 46.89,5.66 v1(46.54,6.02) ; C56.2 74.98,42.55 74.73,42.29 v3(74.73,42.21) ; v1(72.19,30.61) 73.71,30.61 C12.2 ; v1(56.61,23.93) 55.64,23.93 C131.2 ; C298.2 54.54,28.87 v1(54.54,28.19) ; v1(44.14,25.82) 43.37,25.82 C162.2 ; v1(44.06,14.78) 44.06,13.84 44.31,13.59 ; C182.2 C156.2 38.55,16.21 v1(38.53,16.22) ; R281.2 65.33,12.87 v1(65.33,12.19) ; v1(49.71,42.21) 50.09,42.6 C31.1 ; v1(13.24,40.89) 13.24,41.57 C25.2 ; C10.1 v1(40.4,50.7) ; C230.2 v1(50.61,12.62) ; C153.2 45.85,16.1 v1(45.74,16.22) ; C66.2 11.36,23.66 v3(11.36,22.99) 11.14,22.77 C68.2 ; C47.2 25.49,39.92 v3(25.45,39.88) ; v1(40.93,16.22) 40.96,16.19 C154.2 ; C41.2 v1(25.41,44.72) ; C24.2 C61.2 37.85,43.73 v1(37.65,43.52) ; v1(27.59,22.03) 28.11,22.03 28.63,21.51 C95.2 ; v1(13.11,39.5) 13.11,39.92 C27.2 ; v1(50.35,45.39) 49.75,45.39 R301.1 R299.1 ; C99.2 25.36,26.21 v1(25.19,26.03) ; C44.2 27.61,36.28 v1(28.72,36.28) ; R239.2 67.85,25.91 67.81,25.95 v1(67.81,26.33) ; R106.2 5.64,19.34 v1(5.64,19.3) 5.6,19.27 3.43,19.27 C261.2 ; C81.2 19.95,24.43 v1(20.39,24.43) ; C35.2 33.77,43.33 v1(33.77,42.72) ; C52.2 v1(65.27,38.98) ; R240.2 v1(63.81,17.53) R243.1 ; C136.2 v1(53.39,34.29) ; v1(72.44,24.64) 74.02,24.64 J3.GND4 ; C7.1 27.57,28.82 28.12,28.27 v1(28.12,28.24) ; C58.2 v1(44.57,1.02) ; v1(57.64,37.52) 57.64,39.3 C173.2 ; J3.GND1 v1(85.03,25.7) ; C141.2 v1(52.25,28.24) ; R237.2 v1(47.93,5.38) ; C271.2 v1(78.03,4.45) ; C129.2 54.04,15.27 54.09,15.27 v1(54.09,14.78) ; R67.2 24.09,28.66 v1(24.31,28.88) ; v1(40.93,24.22) 40.93,24.74 41.21,25.02 R81.1 ; R76.1 37.77,47.12 v3(37.14,47.75) 36.76,48.13 36.76,48.64 35.87,49.53 C286.2 34.72,49.53 34.22,50.04 v1(34.22,50.93) 34.72,50.93 35.49,51.69 C179.2 ; J3.GND5 71,20.73 v1(70.21,20.73) ; C138.2 v1(54.41,34.29) ; C193.2 33.67,8.59 v1(34.03,8.94) 35.24,10.16 C216.2 35.91,9.87 v1(37.45,9.87) 38,9.87 C231.2 ; 22.91,20.73 v1(22.91,19.48) 23.33,19.06 C108.2 ; v1(5.39,32.51) 5.39,34.04 C194.2 v1(3.86,34.29) ; C133.2 50.46,16.22 v1(49.74,16.22) 49.74,15.38 49.75,15.37 C128.2 ; C174.2 34.56,35.32 v1(34.98,35.74) 35.52,35.74 R111.2 ; v1(47.53,1.02) 47.53,1.69 C264.2 ; C263.2 v1(45.75,5.99) ; 10.85,17.14 11.61,16.38 C71.2 11.1,15.37 v1(10.21,15.37) 9.45,15.37 C70.2 8.82,16.38 9.58,17.14 v1(10.21,17.14) 10.85,17.14
  vias: v1(1.2,53.47) v1(1.2,49.4) v1(5.39,53.47) v1(5.39,49.4) v1(42.09,6.27) v1(42.53,26.62) v1(44.25,8.94) v1(45.77,7.04) v1(46.54,11.1) v1(46.54,7.04) v1(49.96,39.93) v1(51.23,39.93) v1(59.62,43.69) v1(59.74,44.7) v1(63.81,12.19) v1(63.81,11.43) v1(63.81,10.67) v1(64.57,12.19) v1(64.57,11.43) v1(64.57,10.67) v1(65.33,45.52) v1(65.33,44.81) v1(65.33,11.43) v1(65.33,10.67) v1(66.09,45.52) v1(66.22,13.78) v1(66.35,14.41) v1(67.24,15.75) v1(68.51,15.75) v1(73.71,5.96) v1(81.08,45.39) v1(81.21,53.47) v1(81.21,49.4) v1(81.21,5.21) v1(81.21,1.14) v1(85.27,53.47) v1(85.27,49.4) v1(85.27,5.21) v1(85.27,1.14) v2(14.91,12.95) v2(16.18,12.95) v2(16.69,14.35) v3(11.36,21.72) v3(12.37,22.99) v3(12.37,21.72) v3(13.52,22.99) v3(13.52,21.72) v3(13.52,20.45) v3(25.45,38.86) v3(25.45,37.85) v3(26.47,39.88) v3(26.47,38.86) v3(26.47,37.85) v3(27.49,38.86) v3(73.46,40.94) v3(73.46,39.67) v3(74.73,40.94) v3(74.73,39.67)
